# KiCad board ev17.kicad_pcb (continued)
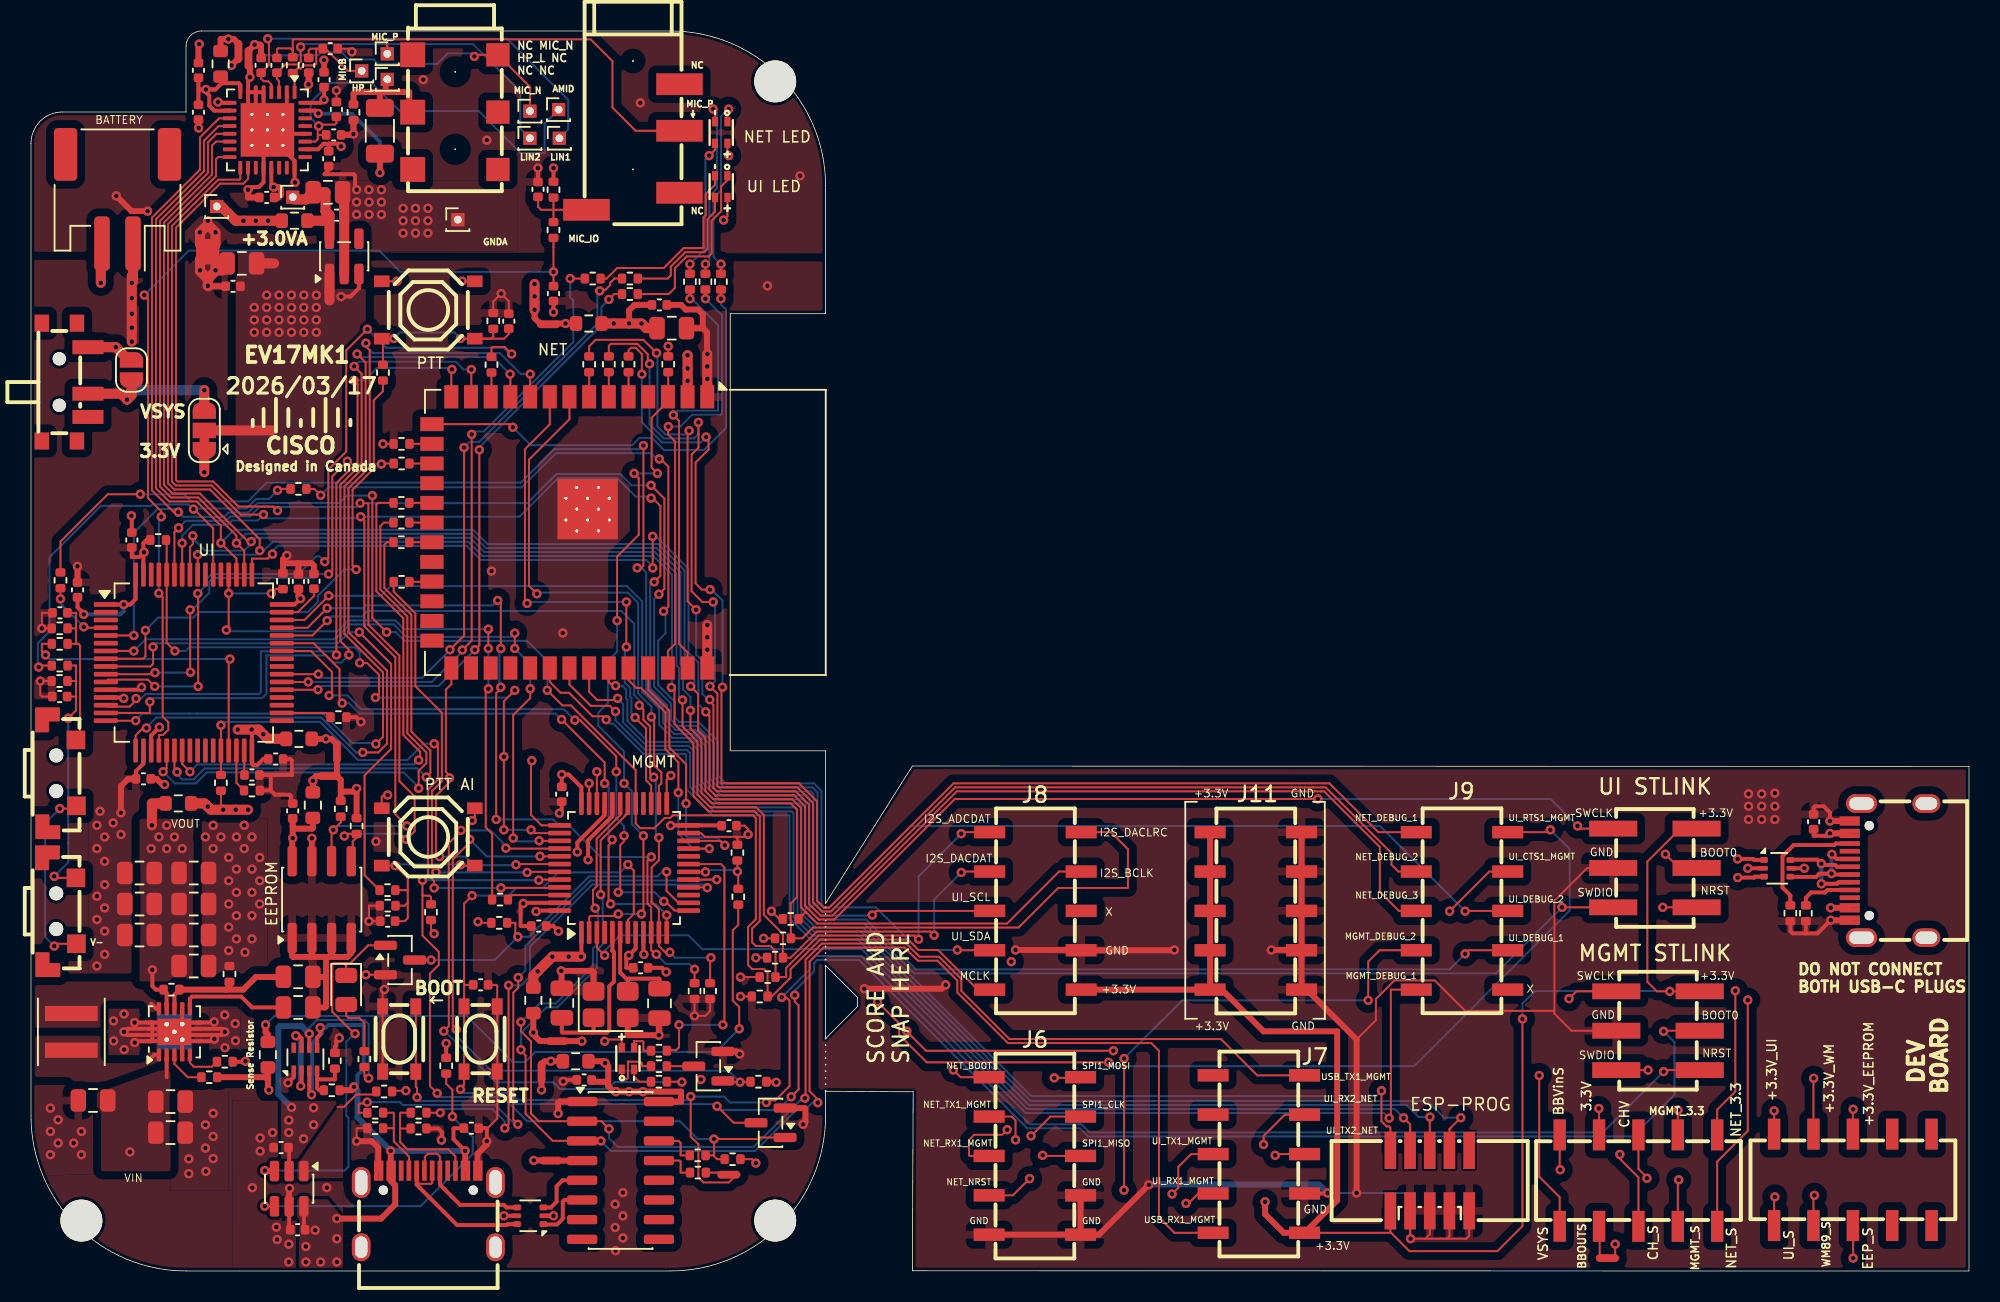
[diagram p0: board, top side]
## Routing (per net, layer and track width the routed paths; a pad name or vN(x,y) marks a point on that pad's centre or on a via; arc(x,y) is an arc through that point) (continued)
  Bottom w0.127: v1(44.75,27.46) 44.25,27.96 42.36,27.96 42.25,28.08 v1(42.25,30.16)
/PTT_AI_BTN: length 36.5
  Top w0.127: 21.75,32.21 21.52,31.98 21.52,31.95
  Top w0.13: v1(7.87,40.27) 7.87,39.17 7.7,39 U10.9 ; 21.75,32.21 23.23,33.69 23.23,39.17 v1(21.17,41.22) ; 21.52,31.95 21.52,25.54 R58.1
  Bottom w0.13: v1(21.17,41.22) 20.52,41.22 19.8,40.5 8.11,40.5 v1(7.87,40.27)
/PTT_BTN: length 32.9
  Top w0.127: R57.1 22.7,56.76 22.11,56.17 22.11,51.77 20.74,50.4 20.74,45.5 v1(20.97,45.26) ; v1(7.38,41.33) 7.38,39.64 7.24,39.5 U10.8
  Bottom w0.127: v1(7.38,41.33) 8.2,42.16 10.47,42.16 10.83,42.52 17.86,42.52 18.5,43.16 18.5,43.56 20.2,45.26 v1(20.97,45.26)
/RCC_OSC_IN: length 11.5
  Top w0.254: 36.23,15.38 34.28,15.38 34.24,15.43 C2.2 ; 36.23,15.38 37.15,15.38 37.3,15.53 37.3,18.38 37.6,18.68 37.6,20.56 37.5,20.66 U3.5 ; 36.23,15.38 36.29,15.44 Y1.1
/RCC_OSC_OUT: length 6.7
  Top w0.254: C3.2 40.54,18.83 40.5,18.86 38.58,18.86 38.49,18.77 ; 38.49,18.77 38,19.25 U3.6 ; 38.49,18.77 Y1.3
/SPI1_CLK: length 99.8
  Top w0.127: v1(64.5,8.71) 65.75,9.96 J6.9 ; R44.1 22.76,48.29 22.53,48.06 22.53,43.97 24.27,42.22 24.27,34.69 25.5,33.46 25.5,32.76 25,32.26 v1(25,31.14) ; U10.21 8.75,32.44 v1(8.52,32.21)
  In2.Cu w0.127: v1(64.5,8.71) 64.5,10.85 53.19,22.16 50.61,22.16 49.7,23.07 49.7,30.02 49.54,30.17 44.67,30.17 43.71,31.14 43.71,33.5 43.28,33.93 28.26,33.93 25.48,31.14 v1(25,31.14)
  Bottom w0.127: v1(8.52,32.21) 9.28,31.46 10.63,31.46 11.34,32.17 24.04,32.17 25,31.21 v1(25,31.14)
/SPI1_MISO: length 97.1
  Top w0.127: R45.1 22.95,47.02 22.79,46.85 22.79,44.07 24.53,42.33 24.53,34.8 25.76,33.57 25.76,32.12 v1(25.5,31.87) ; v1(9.42,32.2) 9.25,32.37 U10.22 ; J6.8 65.29,7.42 v1(65.25,7.46)
  In2.Cu w0.127: v1(25.5,31.87) 25.5,31.94 27.75,34.19 43.77,34.19 43.97,34 43.97,31.24 44.78,30.43 49.75,30.43 49.95,30.23 49.95,23.18 50.71,22.42 53.3,22.42 65.25,10.46 v1(65.25,7.46)
  Bottom w0.127: v1(25.5,31.87) 24.94,32.42 11.19,32.42 10.48,31.71 9.75,31.71 9.42,32.04 v1(9.42,32.2)
/SPI1_MOSI: length 93.9
  Top w0.127: U10.23 9.75,32.71 v1(10.25,32.21) ; J6.10 67.66,12.46 v1(66,12.46) ; v1(25,32.96) 25.1,33.06 25.1,33.5 24.02,34.58 24.02,42.12 22.28,43.86 22.28,49.46 22.37,49.56 R46.1
  In2.Cu w0.127: v1(25,32.96) 26.16,32.96 27.64,34.45 44.15,34.45 44.23,34.37 44.23,31.35 44.89,30.69 50.02,30.69 50.21,30.5 50.21,23.28 50.82,22.68 53.49,22.68 63.71,12.46 v1(66,12.46)
  Bottom w0.127: v1(25,32.96) 24.72,32.68 10.72,32.68 v1(10.25,32.21)
/UD_N: length 3.8
  Top w0.254: U4.6 34.4,4.58 34.3,4.48 34.3,3.37 33.93,3.01 33.07,3.01 U2.1
/UD_P: length 3.8
  Top w0.254: U2.3 33.54,4.1 33.9,4.46 33.9,5.46 34.29,5.85 U4.5
/UI_BOOT0: length 153
  Top w0.127: U3.38 32.46,28.25 v1(32.25,28.46) ; v1(21.2,39.23) 21.68,39.23 22.45,38.46 22.45,37.23 v1(22.21,37) ; v1(30.5,28.46) 30.5,33.21 v1(30.5,33.18) 30.5,36.76 31.2,37.46 v1(31.2,37.46) ; v1(105.42,26.89) 106.31,26 J5.3
  Top w0.13: R55.1 8.75,47.12 U10.60 8.75,40.54 v1(9.28,40.01)
  In2.Cu w0.127: v1(30.5,33.18) 30.74,33.42 43.05,33.42 43.19,33.27 43.19,30.92 44.46,29.66 49.06,29.66 49.18,29.53 49.18,22.86 50.39,21.64 52.84,21.64 58.51,15.98 58.51,12.26 63.8,6.97 91.3,6.97 91.3,10.66 104.75,24.11 104.75,26.22 v1(105.42,26.89)
  Bottom w0.127: v1(21.2,39.23) 21.2,39.94 20.9,40.24 10.21,40.24 9.98,40.01 v1(9.28,40.01) ; v1(32.25,28.46) v1(30.5,28.46) ; v1(22.21,37) 30.74,37 31.2,37.46 v1(31.2,37.46)
/UI_BOOT1: length 36.6
  Top w0.127: v1(30.31,24.72) 34.05,24.72 U3.45 ; v1(12.25,35.21) U10.28 R41.2 ; v1(26.01,34.02) 26.22,34.02 26.24,34 26.24,31.71 25.6,31.06 25.6,25.56 26,25.16 v1(26,24.71)
  Bottom w0.127: v1(26.01,34.02) 25.33,34.02 24.28,32.96 21.1,32.96 18.63,35.43 12.47,35.43 v1(12.25,35.21) ; v1(26,24.71) 30.3,24.71 v1(30.31,24.72)
/UI_CTS1_MGMT: length 114.5
  Top w0.127: v1(39.24,36.49) 39.5,36.23 39.5,35.56 39.93,35.14 39.93,32.1 v1(40.16,31.86) ; v1(41.2,20.56) 40.9,20.56 40.5,20.96 U3.11 40.5,23.33 40.02,23.82 40.03,23.83 40.03,26.03 40.5,26.5 v1(40.5,27.96) ; J9.4 94.06,25.77 v1(91.5,23.21) ; v1(19.1,41.96) 18.14,41 U10.44 ; v1(43.85,20.21) 43.8,20.16 R38.2 ; v1(56.49,15.47) 56.49,15.45 57.73,14.21 v1(69.81,14.21)
  In1.Cu w0.127: v1(56.49,15.47) 56.73,15.7 56.73,16.74 52.49,20.97 44.61,20.97 v1(43.85,20.21) ; v1(69.81,14.21) 88,14.21 91.5,17.71 v1(91.5,23.21)
  Bottom w0.127: v1(43.85,20.21) 41.55,20.21 v1(41.2,20.56) ; v1(40.16,31.86) 40.3,31.73 40.3,28.16 v1(40.5,27.96) ; v1(39.24,36.49) 39.24,36.83 38.9,37.16 38.9,41.76 38.08,42.58 21.7,42.58 21.35,42.23 19.37,42.23 v1(19.1,41.96)
/UI_CTS2_NET: length 44.9
  Top w0.127: v1(27.15,58.17) 27.11,58.13 U7.14
  Top w0.13: v1(6.78,36.93) 6.78,36.83 6.36,36.41 4.92,36.41 U10.14 ; v1(19.7,39.75) 19.7,39.75 19.7,40.89 19.69,40.89 19.69,50.83 21.06,52.2 21.06,57.23 v1(20.83,57.46)
  Bottom w0.13: v1(6.78,36.93) 7.1,36.93 7.39,37.22 14.67,37.22 14.68,37.22 14.83,37.37 14.83,39.98 19.47,39.98 v1(19.7,39.75) ; v1(20.83,57.46) 21.51,57.46 22.31,58.26 27.06,58.26 v1(27.15,58.17)
/UI_DEBUG_1: length 4.6
  Top w0.127: v1(3.4,41.56) 3.46,41.5 U10.4 ; v1(1.9,43.36) R74.2
  Bottom w0.127: v1(3.4,41.56) 1.9,43.06 v1(1.9,43.36)
/UI_LED_B: length 41.1
  Top w0.13: v1(18.53,38.5) U10.39 ; v1(36.68,63.23) 36.73,63.28 37.03,63.28 37.35,63.61 37.35,63.76 37.63,64.03 R56.1 ; v1(27.93,53.13) 27.93,40.99 v1(27.02,40.08)
  Bottom w0.13: v1(27.02,40.08) 27.02,40.05 25.23,38.27 18.76,38.27 v1(18.53,38.5) ; v1(27.93,53.13) 28.28,53.48 28.89,53.48 36.53,61.13 36.53,63.08 v1(36.68,63.23)
/UI_LED_G: length 40.9
  Top w0.127: v1(34.78,64.03) R60.1 ; U10.38 17.87,38 v1(17.88,38.01) ; v1(28.42,53.98) 28.42,40.67 v1(27.82,40.07)
  Bottom w0.127: v1(34.78,64.03) 34.78,62.83 34.97,62.64 34.97,59.94 29.2,54.16 28.61,54.16 v1(28.42,53.98) ; 17.88,38 v1(17.88,38.01) 25.85,38.01 27.82,39.98 v1(27.82,40.07)
/UI_LED_R: length 40.9
  Top w0.127: R59.1 37.62,63.03 v1(37.28,62.69)
  Top w0.13: v1(28.63,40.08) 28.92,40.37 v1(28.92,52.98) ; U10.37 18.5,37.5 v1(18.51,37.51)
  Bottom w0.13: v1(28.92,52.98) 28.92,53.15 36.79,61.02 36.79,62.2 v1(37.28,62.69) ; v1(18.51,37.51) 18.75,37.75 26.29,37.75 v1(28.63,40.08) ; 28.63,40.08 28.78,40.23
/UI_NRST: length 129.6
  Top w0.127: v1(31.2,40.16) v1(31.2,41.15) ; 31.1,27.72 31.1,27.72 v1(31.1,27.93) 31.1,35.86 32.2,36.96 v1(32.2,37.56) ; v1(32.77,27.76) 32.8,27.76 32.81,27.75 U3.39 ; v1(105.25,23.46) J5.1
  Top w0.13: v1(6.63,40) U10.7
  In1.Cu w0.127: v1(105.25,23.46) 104.76,23.96 51.99,23.96 51.49,23.45 51.14,23.45 50.99,23.6 50.99,25.69 43.95,32.72 33.47,32.72 32.77,32.03 v1(32.77,27.76)
  Bottom w0.127: v1(31.1,27.93) 31.31,27.72 32.77,27.72 32.77,27.72 v1(32.77,27.76) ; v1(32.2,37.56) 32.2,39.16 v1(31.2,40.16) ; v1(31.2,41.15) 30.96,40.92 24.2,40.92 23.4,41.71 21.38,41.71 21.38,41.71 20.97,41.71 20.97,41.71 20.55,41.71 19.6,40.76 7.39,40.76 v1(6.63,40)
/UI_READY: length 1.5
  Top w0.127: U7.17 R49.1
/UI_RTS1_MGMT: length 124.3
  Top w0.127: v1(69.5,13.46) 57.78,13.46 56,15.24 56,15.97 v1(54.6,17.36) ; J9.5 97.85,28.31 v1(98,28.46) ; v1(30.3,37.66) 30.3,37.58 30,37.28 30,29.14 v1(30.01,29.13) ; v1(19.1,42.76) 17.84,41.5 U10.45 ; v1(30.1,43.26) 30.3,43.06 v1(30.3,40.16) ; v1(40.33,20.44) 40.26,20.44 40,20.69 U3.10 40,23.47 39.76,23.71 39.76,26.47 v1(40.01,26.71) ; R39.2 v1(42.8,19.46)
  In1.Cu w0.127: v1(54.6,17.36) 54.6,18.5 52.39,20.71 45.04,20.71 43.8,19.46 v1(42.8,19.46)
  Bottom w0.127: v1(30.1,43.26) 29.78,42.95 21.6,42.95 21.42,42.76 v1(19.1,42.76) ; v1(30.01,29.13) 33.68,29.13 34.15,28.66 34.8,28.66 36.75,26.71 v1(40.01,26.71) ; v1(98,28.46) 99.24,27.22 99.24,23.26 89.2,13.21 69.75,13.21 v1(69.5,13.46) ; v1(30.3,37.66) 30.21,37.76 30.21,40.07 v1(30.3,40.16) ; v1(40.33,20.44) 40.33,20.43 40.95,19.81 42.45,19.81 v1(42.8,19.46)
/UI_RTS2_NET: length 48.8
  Top w0.127: v1(28.4,58.16) 28.4,56.42 U7.13 ; v1(7.67,36.73) 7.67,36 ; v1(20.5,39.75) 20.5,40.09 20.25,40.34
  Top w0.13: 20.25,40.34 19.96,40.64 19.96,41 19.96,41 19.96,50.72 21.32,52.09 21.32,57.89 v1(20.85,58.36) ; 7.67,36 U10.15
  Bottom w0.127: v1(28.4,58.16) 27.9,58.16 27.4,58.66 21.15,58.66 v1(20.85,58.36) ; v1(7.67,36.73) 7.9,36.96 14.9,36.96 15.18,37.23 15.18,39.72 19.04,39.72 19.21,39.56 19.21,39.54 19.5,39.25 20.01,39.25 v1(20.5,39.75)
/UI_RX1_MGMT: length 89
  Top w0.127: v1(20.07,36.64) 19.9,36.81 19.9,38.83 18.22,40.5 U10.43 ; v1(74.5,4.36) 74.6,4.46 74.75,4.46 75.29,5 J7.9 ; v1(34.22,35.58) 37,32.81 v1(37,31.46)
  Top w0.13: v1(37.38,23.68) 37.25,23.81 37.25,27.46 37.44,27.65 37.44,27.78 v1(37.49,27.83) ; U3.12 v1(41,22.96)
  In1.Cu w0.127: v1(41,22.96) 46.95,22.96 48.01,21.9 52.06,21.9 59.98,13.98 59.98,4.98 61.5,3.46 73.6,3.46 v1(74.5,4.36)
  Bottom w0.127: v1(37,31.46) 37.26,31.21 37.26,27.88 37.31,27.83 v1(37.49,27.83) ; v1(20.07,36.64) 20.5,36.64 21.18,35.96 33.84,35.96 v1(34.22,35.58)
  Bottom w0.13: v1(37.38,23.68) 40.28,23.68 40.28,23.68 v1(41,22.96)
/UI_RX2_NET: length 140.8
  Top w0.127: v1(79.5,8.16) 79.5,8.71 80.87,10.08 J7.4 ; v1(32.2,57.86) 32.19,57.85 U7.10
  Top w0.13: v1(7.44,35.03) 7.22,35.03 6.75,34.56 U10.17 ; v1(21.4,33.46) 22.39,33.46 22.97,34.03 22.97,38.73 20.48,41.22 20.48,50.51 21.85,51.88 21.85,59.41 21.6,59.66 v1(21.6,59.86)
  In2.Cu w0.127: v1(21.4,33.46) 22.69,33.46 23.94,34.71 44.26,34.71 44.48,34.48 44.48,31.46 45,30.95 50.13,30.95 50.47,30.61 50.47,23.39 50.93,22.93 53.6,22.93 54.06,22.48 68.62,22.48 79.5,11.6 v1(79.5,8.16)
  Bottom w0.127: v1(7.44,35.03) 7.44,35.07 8.08,35.71 10.29,35.71 10.29,35.71 18.72,35.71 20.97,33.46 v1(21.4,33.46)
  Bottom w0.13: v1(32.2,57.86) 31.6,57.86 30.24,59.22 22.04,59.22 21.6,59.66 v1(21.6,59.86)
/UI_SCL1: length 141.2
  Top w0.127: v1(54.26,22.97) 54.53,23.23 J8.8 ; v1(40.2,44.46) 40.59,44.86 40.59,49.36 40.09,49.86 v1(39.99,49.86) ; v1(9.75,46.96) U10.58 ; v1(15,48.8) 13.52,48.8 11.65,50.68 9.34,50.68 9.09,50.93 9.09,67.43 12.07,70.41 13.45,70.41 13.5,70.46 U6.17 ; v1(21.27,48.66) 21.5,48.43 21.5,41.59 22.99,40.1 22.99,40.1 23.43,39.66 23.44,39.66 23.5,39.59 23.5,29.46 v1(24.25,28.71) ; R16.2 19.98,28.94 v1(19.5,28.46)
  Top w0.13: 19.39,26.44 19.39,28.35 v1(19.5,28.46)
  Bottom w0.127: v1(39.99,49.86) 39.89,49.96 39,49.96 37.8,51.16 34,51.16 31.5,48.66 v1(21.27,48.66) 21.16,48.66 21.06,48.57 15.23,48.57 v1(15,48.8) 14.61,48.42 12.96,48.42 12.68,48.15 10.45,48.15 9.75,47.44 v1(9.75,46.96) ; v1(40.2,44.46) 40,44.46 39.93,44.4 39.93,37.59 41.03,36.49 41.03,35.47 41.58,34.91 42.84,34.91 43.8,33.95 43.8,31.75 44.61,30.95 50.29,30.95 50.47,30.76 50.47,23.39 50.93,22.93 54.23,22.93 v1(54.26,22.97) ; v1(24.25,28.71) 19.75,28.71 v1(19.5,28.46)
/UI_SDA1: length 146.1
  Top w0.127: v1(15.9,49.06) 15.64,49.32 13.37,49.32 11.75,50.94 9.45,50.94 9.35,51.04 9.35,67.31 12.19,70.15 13.69,70.15 14,70.46 U6.18 ; U10.59 9.25,47.67 v1(9.52,47.94) ; R19.2 20.27,28.2 20.21,28.14 v1(20.21,28.06) ; J8.9 59.77,20.69 v1(59.75,20.71) ; v1(40.5,43.66) 40.85,44.02 40.85,49.83 v1(39.99,50.69) ; v1(24.22,27.85) 24.74,28.37 24.74,30.62 23.76,31.61 23.76,39.7 23.54,39.92 21.76,41.7 21.76,49.5 21.72,49.54 v1(21.23,49.54) 21.23,49.42
  Top w0.13: R19.2 21,27.96 20.75,27.71 20.75,26.53 20.66,26.44
  Bottom w0.127: 15.74,48.95 15.79,48.95 v1(15.9,49.06) ; v1(20.21,28.06) 20.36,28.21 23.85,28.21 v1(24.22,27.85) ; v1(15.9,49.06) 16.14,49.3 20.99,49.3 v1(21.23,49.54) 32.01,49.54 33.89,51.42 38,51.42 38.73,50.69 v1(39.99,50.69) ; v1(15.9,49.06) 15.66,49.3 14.9,49.3 ; v1(40.5,43.66) 40.19,43.35 40.19,37.7 41.29,36.6 41.29,35.57 41.69,35.17 42.95,35.17 44.06,34.06 44.06,31.86 44.71,31.21 50.39,31.21 50.73,30.87 50.73,23.5 51.03,23.19 51.59,23.19 51.86,23.46 54.06,23.46 54.47,23.46 54.47,23.46 54.49,23.46 57.24,20.71 v1(59.75,20.71) ; 15.39,49.3 14.73,49.3 14.12,48.68 12.85,48.68 12.57,48.4 9.98,48.4 v1(9.52,47.94)
/UI_Sense: length 114.9
  Top w0.13: v1(112.48,4.78) 112.43,4.73 J20.1
  Top w0.381: NT8.2 19.38,34.33 v1(19.03,34.33) R78.1
  In4.Cu w0.13: v1(19.03,34.33) 20.64,32.72 24.36,32.72 24.71,32.36 31.95,32.36 35,29.31 35,28.76 36.79,26.97 38.52,26.97 46.64,18.85 46.64,17.95 50.14,14.45 57.71,14.45 58.54,15.28 70.37,15.28 71.67,13.98 109.48,13.98 112.92,10.54 112.92,5.23 v1(112.48,4.78)
/UI_STAT: length 42.4
  Top w0.127: R54.2 15.78,43.99 v1(15.5,43.71) ; v1(29.5,40.16) v1(29.5,41.41) ; 16.49,44 16.5,43.99 ; R5.2 29.74,28.21 29.33,28.62 29.33,37.39 v1(29.5,37.56) ; v1(12.6,41.36) 12.75,41.51 v1(12.75,43.71) U10.52
  Bottom w0.127: v1(15.5,43.71) v1(12.75,43.71) ; v1(12.6,41.36) 12.68,41.28 19.75,41.28 20.44,41.97 20.86,41.97 20.86,41.97 21.49,41.97 21.49,41.97 23.51,41.97 24.07,41.41 v1(29.5,41.41) ; v1(29.5,37.56) v1(29.5,40.16)
/UI_SWCLK: length 117.5
  Top w0.127: v1(40.1,47.4) v1(40.1,45.36) ; U10.49 14.25,45.96 15.28,45.96 v1(15.58,46.25) ; v1(99.75,28.71) 99.92,28.54 J5.6 ; v1(83,30.45) 59.59,30.45 51.81,22.68 50.82,22.68 49.92,23.58 49.92,29.99 49.21,30.69 44.13,30.69 43.76,31.07 43.76,35.84 v1(43.52,36.08)
  Bottom w0.127: v1(40.1,45.36) 40.1,45.46 39.69,45.87 29.02,45.87 28.1,46.79 18,46.79 18,46.79 15.93,46.79 15.58,46.44 v1(15.58,46.25) ; v1(99.75,28.71) 98.01,30.45 v1(83,30.45) ; v1(40.1,47.4) 40.32,47.4 40.55,47.16 40.56,47.16 42.41,45.32 42.41,39.89 43.04,39.26 43.04,37.93 43.04,37.93 43.04,37.52 43.04,37.52 43.04,36.56 v1(43.52,36.08)
/UI_SWDIO: length 108.4
  Top w0.127: v1(19.2,43.56) 17.64,42 U10.46 ; v1(98.75,23.46) J5.2
  Bottom w0.127: v1(98.75,23.46) 94.49,19.21 56.96,19.21 53.75,22.42 50.71,22.42 49.95,23.18 49.95,30.26 49.78,30.43 44.39,30.43 43.28,31.54 43.28,33.74 42.63,34.4 41.37,34.4 40.51,35.25 40.51,36.28 39.42,37.38 39.42,43.21 38.44,44.19 23.2,44.19 22.58,43.56 v1(19.2,43.56)
/UI_TX1_MGMT: length 90.9
  Top w0.127: J7.8 74.83,7.54 74,6.71 74,5.36 v1(73.6,4.96) ; v1(37.88,24.43) 38.01,24.56 38.01,27.48 38.25,27.72 v1(38.25,28.08) ; v1(37.75,32.21) 37.75,33.2 35.41,35.54 v1(35.07,35.54) ; U10.42 18.06,40 19.41,38.66 19.41,37.31 v1(19.23,37.13)
  Top w0.13: U3.13 41.51,23.25 41.02,23.75 40.92,23.75 v1(40.82,23.85)
  In1.Cu w0.127: v1(73.6,4.96) 72.6,3.96 61.39,3.96 60.24,5.11 60.24,14.11 52.19,22.16 48.11,22.16 46.73,23.54 41.38,23.54 41.15,23.77 40.89,23.77 v1(40.82,23.85)
  Bottom w0.127: v1(35.07,35.54) 34.37,36.25 21.29,36.25 20.41,37.13 v1(19.23,37.13) ; v1(37.88,24.43) 40.23,24.43 v1(40.82,23.85) ; v1(37.75,32.21) 37.75,29.21 38.25,28.71 v1(38.25,28.08)
/UI_TX2_NET: length 137.1
  Top w0.127: v1(6.75,35.51) 6.57,35.51 6.57,35.5 U10.16 ; v1(30.9,57.86) 30.92,57.84 U7.11 ; v1(80.25,7.46) 80.33,7.54 J7.3 ; 20.22,41.11 22.71,38.62 22.71,34.47 v1(22.24,34.01)
  Top w0.13: 20.22,41.11 20.22,50.62 21.58,51.98 21.58,58.61 v1(21.03,59.17)
  In2.Cu w0.127: v1(80.25,7.46) 80.25,11.21 68,23.46 51.52,23.46 51.5,23.45 51.14,23.45 50.73,23.86 50.73,30.72 50.24,31.21 45.1,31.21 44.74,31.57 44.74,34.59 44.36,34.96 23.2,34.96 v1(22.24,34.01)
  Bottom w0.127: 22.19,34.06 20.73,34.06 18.83,35.96 17,35.96 17,35.97 10.7,35.97 10.7,35.96 10.18,35.96 7.16,35.96 6.75,35.56 v1(6.75,35.51) ; v1(30.9,57.86) 29.8,58.96 21.23,58.96 v1(21.03,59.17)
/USB_CC1_DETECT: length 33.2
  Top w0.127: v1(30.8,18.43) 30.8,9.46 v1(30.56,9.21) ; 42.42,24.76 U3.16 43.41,24.75 43.43,24.73 v1(43.62,24.73) ; R9.1 v1(26.4,10.21)
  Bottom w0.127: v1(30.56,9.21) 30.56,9.65 29.76,10.45 26.64,10.45 v1(26.4,10.21) ; v1(30.8,18.43) 31.63,18.43 32.18,18.99 32.18,20.92 36.2,24.93 43.42,24.93 v1(43.62,24.73)
/USB_CC2_DETECT: length 39.9
  Top w0.127: R10.1 21.13,10.21 21.13,10.72 21.22,10.81 21.59,10.81 v1(21.68,10.89) ; v1(44.23,25.25) U3.17 ; v1(31.43,18.93) 31.43,18.28 31.11,17.96 31.11,9.76 v1(31.4,9.46)
  Bottom w0.127: v1(44.23,25.25) 43.38,25.25 43.32,25.19 36.1,25.19 31.88,20.98 31.88,19.39 v1(31.43,18.93) ; v1(31.4,9.46) 31.2,9.46 29.95,10.71 23.98,10.71 23.8,10.89 v1(21.68,10.89)
/USB_DTR: length 2.7
  Top w0.127: R40.2 41.9,6.35
  Top w0.13: 41.9,6.35 41.9,7.06 41.84,7.12 U4.13
/USB_RTS: length 2.8
  Top w0.13: U4.14 41.77,8.39 41.9,8.26 41.9,7.46 R51.1
/USB_RX1_MGMT: length 94.8
  Top w0.127: v1(31.6,14.28) 31.6,14.21 31.9,13.91 31.9,10.14 ; J7.10 73.75,2.46 72.75,3.46 72.75,14.21 72.26,14.71 63.01,14.71 59.75,17.96 59.75,18.73 58.46,20.02 57.21,20.02 57.01,20.21 57,20.21 56.34,20.87 51.11,20.87 50.22,19.97 50.22,11.61 50.75,11.07 v1(50.75,10.86) ; U3.30 38.5,29.6 38.34,29.45 38.34,29.39 38.26,29.3 38.26,29.3 36.74,27.78 v1(36.74,24.28)
  Top w0.13: 31.9,10.14 33.65,8.39 U4.3 v1(36.76,8.39)
  Bottom w0.127: v1(50.75,10.86) 50.4,10.86 49.94,10.4 49.36,10.4 46.71,7.75 37.41,7.75 v1(36.76,8.39) ; v1(31.6,14.28) 31.6,15.36 33.24,17.01 33.95,17.01 36.5,19.56 36.5,20.7 36.88,21.08 36.88,24.14 v1(36.74,24.28)
/USB_TX1_MGMT: length 89.6
  Top w0.127: 32.25,10.16 32.25,14.81 31.6,15.46 v1(31.6,16.06) ; v1(37.28,9.17) 36.89,9.56 36.89,9.58 ; J7.5 79.09,12.62 76.75,14.96 63.11,14.96 60.01,18.07 60.01,18.84 58.57,20.28 57.31,20.28 57.12,20.47 57.11,20.47 56.45,21.13 51.01,21.13 49.96,20.08 49.96,11.19 v1(49.92,11.15) ; v1(36.39,23.41) 36.25,23.55 36.25,24.58 36.48,24.81 36.48,27.89 38,29.4 U3.31
  Top w0.13: 36.89,9.58 36.8,9.66 U4.2 32.75,9.66 32.25,10.16
  Bottom w0.127: v1(36.39,23.41) 36.58,23.21 36.58,21.15 36.24,20.81 36.24,19.66 33.84,17.26 32.8,17.26 v1(31.6,16.06) ; v1(37.28,9.17) 37.28,8.57 37.85,8 46.61,8 49.74,11.13 49.9,11.13 v1(49.92,11.15)
/VAIN: length 9.5
  Top w0.254: v1(20,62.86) 20.6,62.86 21.15,63.41 U12.3
  Top w0.65: U12.1 19.25,62.61 ; 14.57,65.03 C11.1 15.68,65.01 ; JP3.2 15.53,54.23
  vias: v1(14.4,62.16) v1(14.4,61.36) v1(14.4,60.56) v1(15.2,62.96) v1(15.2,62.16) v1(15.2,61.36) v1(15.2,60.56) v1(16,62.96) v1(16,62.16) v1(16,61.36) v1(16,60.56) v1(16.8,62.96) v1(16.8,62.16) v1(16.8,61.36) v1(16.8,60.56) v1(17.6,62.96) v1(17.6,62.16) v1(17.6,61.36) v1(17.6,60.56) v1(18.4,62.96) v1(18.4,62.16) v1(18.4,61.36) v1(18.4,60.56)
/VOLUME+: length 19.4
  Top w0.127: R17.1 0.7,40.46 0.7,40 0.94,39.76 v1(0.94,39.75) ; v1(12.83,39.48) 12.75,39.4 U10.29
  Bottom w0.127: v1(0.94,39.75) 1.2,39.48 v1(12.83,39.48)
/VOLUME-: length 30.7
  Top w0.127: R73.2 16.11,50.46 16.02,50.37 v1(15.9,50.37) ; R24.1 0.7,39.06 0.7,39.06 0.6,38.96 v1(0.5,38.96) ; v1(10.47,49.15) 10.51,49.15 11.75,47.91 U10.54
  Bottom w0.127: v1(0.5,38.96) 0.44,39.02 0.44,40.51 1.19,41.26 1.19,46.06 4.5,49.37 7.76,49.37 7.85,49.46 10.17,49.46 v1(10.47,49.15) 10.51,49.2 13.9,49.2 14.52,49.81 15.35,49.81 15.58,50.05 15.58,50.05 v1(15.9,50.37)
/WM8960_Sense: length 157.9
  Top w0.127: v1(115.03,4.88) 114.97,4.82 J20.2
  Top w0.381: NT9.2 13.08,79.48 v1(12.73,79.48) 12.23,79.48 R63.1
  In4.Cu w0.127: v1(115.03,4.88) 115.47,5.33 115.47,12.64 111.35,16.76 56.35,16.76 52.14,20.97 46.49,20.97 43.13,24.33 43.13,24.78 41.2,26.71 41.05,26.71 39.99,27.77 39.99,30.67 35.83,34.84 35.83,45.24 30.18,50.88 30.18,59.61 29.13,60.66 27.81,60.66 20.51,67.96 20.51,71.11 14.62,77 14.62,77.23 14.33,77.51 14.1,77.51 12.73,78.88 v1(12.73,79.48)
VSYS: length 176.8
  Top w0.127: v1(45.68,15.62) 45.68,17.03 45.27,17.45 45.27,21.98 45.62,22.33 R12.2 ; J10.1 98.6,4.76 97.28,6.08 v1(97.28,12.61)
  Top w0.381: R14.1 15.28,15.27 15.13,15.42 v1(15.13,15.88)
  Top w0.65: SW1.2 5.81,56.6 v1(6.19,56.22) 6.48,56.51 6.48,57.3 6.31,57.47 ; JP3.3 v1(11.18,56.83)
  In2.Cu w0.381: v1(15.13,15.88) 15.13,15.56 14.53,14.96 14.53,13.35 13.64,12.46 4.01,12.46 3.5,12.98 3.5,30.02 5.12,31.64 5.12,55.75 5.6,56.22 v1(6.19,56.22)
  In4.Cu w0.127: v1(97.28,12.61) 87.03,12.61 86.06,11.65 69.78,11.65 67.19,14.24 58.97,14.24 58.14,13.41 49.72,13.41 48.87,14.26 46.88,14.26 45.68,15.46 v1(45.68,15.62)
  Bottom w0.127: v1(45.68,15.62) 44.19,14.13 32.53,14.13 31.88,13.48 31.08,13.48 28.11,16.45 15.7,16.45 v1(15.13,15.88)
  Bottom w0.65: v1(11.18,56.83) 6.8,56.83 v1(6.19,56.22)
Net-(C46-Pad1): length 12.4
  Top w0.127: R57.2 22.7,60.08 SW4.3
  Top w0.13: SW4.4 30.52,60.15 30.81,60.45 C46.1 ; SW4.4 27.71,60.15 v1(27.7,60.16) ; SW4.4 29.68,60.15 29.82,60.29 R61.2 ; v1(23.4,60.16) 22.64,60.16 SW4.3
  Bottom w0.13: v1(23.4,60.16) 23.79,60.55 27.31,60.55 v1(27.7,60.16)
Net-(C47-Pad1): length 12.5
  Top w0.127: SW5.4 27.75,26.15 v1(27.7,26.21) ; SW5.3 v1(23.5,26.15) ; C47.1 24.11,22.57 24.3,22.76 24.3,23.46
  Top w0.13: 24.3,24.56 24.3,25.35 v1(23.5,26.15) ; 24.3,24.56 24.29,24.57 R58.2 ; 24.3,24.56 24.3,23.76 ; R62.2 24.11,23.57 24.3,23.76 ; 22.5,26.03 SW5.3 ; 24.3,23.76 24.3,23.46
  Bottom w0.127: v1(23.5,26.15) 23.59,26.24 27.67,26.24
Net-(C49-Pad1): length 10.1
  Top w0.127: 2.9,41.46 2.9,40.46 ; 2.9,41.46 2.9,42.46 2.9,42.46 C49.1 ; 2.9,41.46 R23.2 ; 2.9,40.46 3.05,40.46 3.16,40.36 3.16,34.52 SW6.2 ; 2.9,40.46 R17.2
Net-(C50-Pad1): length 17.3
  Top w0.127: 2.9,37.06 2.9,36.16 v1(2.4,35.66) ; 2.9,37.06 2.9,38.06 ; 2.9,37.06 C50.1 ; R37.2 2.9,38.06 ; 2.9,38.06 2.9,39.06 R24.2 ; SW7.2 1.6,25.36 v1(1.5,25.46)
  Bottom w0.127: v1(1.5,25.46) 2.4,26.36 v1(2.4,35.66)
Net-(C54-Pad1): length 5.4
  Top w0.127: J3.S 32.9,68.47 32.7,68.66 32.7,68.66 C54.1 ; R81.1 R36.1
Net-(D1-A): length 3.9
  Top w0.127: 21.18,16.33 21.5,16.01 R11.2
  Top w0.13: 21.18,16.33 20.48,16.33 20.33,16.48 D1.2
Net-(D1-K): length 25
  Top w0.127: 20.18,19.86 19.48,19.86 19.43,19.81 19.43,16.73 20.85,15.31 v1(20.9,15.31) ; 20.18,19.86 20.33,19.71 D1.1 ; 20.18,19.86 20.6,19.86 21.75,21.01 Q2.1
  Top w0.381: v1(15.08,6.48) 15.11,6.45 U1.3
  Bottom w0.127: v1(20.9,15.31) 20.82,15.23 20.78,15.23 20.33,14.79 20.33,10.03 20.48,9.88 20.48,6.73 20.23,6.48 v1(15.08,6.48)
Net-(D2-BK): length 9.1
  Top w0.127: R33.2 v1(42.5,64.96)
  Top w0.13: D2.3 44.12,72.34 v1(43.74,71.96)
  Bottom w0.13: v1(43.74,71.96) 43.5,71.72 43.5,65.96 v1(42.5,64.96)
Net-(D2-GK): length 11.9
  Top w0.127: R35.2 v1(43.5,64.96)
  Top w0.13: D2.4 44.12,74.85 v1(44,74.96)
  Bottom w0.13: v1(44,74.96) 44.24,74.72 44.24,69.83 43.76,69.36 43.76,65.22 v1(43.5,64.96)
Net-(D2-RK): length 12.1
  Top w0.127: R34.2 v1(44.5,64.96)
  Top w0.13: v1(45,74.96) 44.92,74.88 D2.1
  Bottom w0.13: v1(44.5,64.96) 44.02,65.44 44.02,69.25 44.5,69.73 44.5,71.65 44.5,74.46 v1(45,74.96)
Net-(D3-BK): length 9.1
  Top w0.13: R56.2 41.07,64.03 41.27,64.23 41.27,64.8 42.2,65.73 43.43,65.73 43.64,65.94 43.64,67.87 44.12,68.35 D3.3
Net-(D3-GK): length 12.4
  Top w0.13: R60.2 37.13,64.03 37.81,64.71 40.81,64.71 42.09,65.99 43.32,65.99 43.38,66.05 43.38,67.98 43.52,68.12 43.52,69.49 43.73,69.69 43.73,69.76 43.79,69.76 44.12,70.08 D3.4
Net-(D3-RK): length 12
  Top w0.13: R59.2 41.13,63.03 41.53,63.43 41.53,64.69 42.29,65.46 43.71,65.46 43.9,65.65 43.9,67.76 44.51,68.37 44.51,69.95 44.5,69.96 44.92,70.38 D3.1
Net-(D5-BK): length 2.1
  Top w0.127: D5.3 38.9,14.83 39.44,14.83 39.5,14.76 39.5,14.26 39.55,14.21 R15.1
Net-(D5-GK): length 1.7
  Top w0.127: R21.1 39.22,12.21 38.9,12.54 D5.4
Net-(D5-RK): length 3.8
  Top w0.13: R20.1 39.45,13.21 39.4,13.26 39.4,13.4 39.29,13.51 38.51,13.51 38.5,13.5 38.5,12.46 38.4,12.36 38.2,12.36 38.1,12.46 D5.1
Net-(J1-CC1): length 5.5
  Top w0.127: J1.A5 24.38,7.39 23.4,8.36 23.4,9.16 ; 23.4,9.16 23.4,10.16 23.35,10.21 R10.2 ; 23.4,9.16 23.35,9.21 R8.2
Net-(J1-CC2): length 8.1
  Top w0.127: R7.2 23.83,9.19 23.8,9.16 ; J1.B5 27.38,7.39 26.91,7.85 24.28,7.85 23.8,8.33 23.8,9.16 ; 23.8,9.16 23.8,10.16 23.85,10.21 R9.2
  Top w0.254: 24.48,10.21 R9.2
Net-(J9-Pin_2): length 128.7
  Top w0.127: v1(39.5,53.26) 39.5,45.51 39.36,45.36 v1(39.1,45.36) ; v1(92.5,20.46) 92.73,20.69 J9.2 ; R74.1 1.9,47.06 4.95,50.11 v1(7.05,50.11)
  Bottom w0.127: v1(39.1,45.36) 39.38,45.36 39.67,45.07 39.67,37.48 40.77,36.39 40.77,35.36 41.47,34.65 42.73,34.65 43.54,33.85 43.54,31.65 44.5,30.69 50.02,30.69 50.21,30.5 50.21,23.28 50.82,22.68 53.86,22.68 57.07,19.46 91.5,19.46 v1(92.5,20.46) ; v1(39.5,53.26) 39.26,53.02 33.75,53.02 31.59,50.86 15.21,50.86 13.99,49.65 10.35,49.65 9.88,50.11 v1(7.05,50.11)
Net-(J9-Pin_3): length 110.9
  Top w0.127: v1(18.68,50.05) 18.27,50.46 R73.1 ; J9.3 92.52,23.23 v1(92.5,23.21) ; v1(40.8,42.56) 41.11,42.87 41.11,51.89 40.61,52.39 v1(40.53,52.39)
  Bottom w0.127: v1(18.68,50.05) 19.2,50.56 31.66,50.56 33.86,52.76 40,52.76 40.37,52.39 v1(40.53,52.39) ; v1(92.5,23.21) 87.01,28.71 56.74,28.71 51.49,23.45 51.14,23.45 50.99,23.6 50.99,30.98 50.5,31.46 44.82,31.46 44.31,31.97 44.31,34.17 43.05,35.43 41.8,35.43 41.54,35.68 41.54,36.71 40.45,37.8 40.45,40.66 40.92,41.14 40.92,42.44 v1(40.8,42.56)
Net-(J9-Pin_6): length 91.1
  Top w0.127: v1(44.6,37.66) 44.53,37.59 44.53,31.46 49.53,31.46 50.69,30.31 50.69,23.9 51.14,23.45 51.49,23.45 59.5,31.46 82.58,31.46 82.58,31.46 83.42,31.46 83.42,31.46 83.75,31.46 86.9,28.31 J9.6 ; v1(43.54,53.81) 43.7,53.65 43.7,53 42.86,52.16 42.86,44.36 43.27,43.96 v1(43.8,43.96) ; v1(39.4,57.86) 39.4,59.16 39,59.56 38.7,59.56 38.54,59.4 R70.2
  Bottom w0.127: v1(44.6,37.66) 44.6,43.26 43.9,43.96 v1(43.8,43.96) ; v1(39.4,57.86) 39.4,54.76 40.7,53.46 43.2,53.46 v1(43.54,53.81)
Net-(J9-Pin_7): length 95.7
  Top w0.127: v1(39.89,58.53) 39.78,58.64 39.78,59.15 39.11,59.82 37.4,59.82 37.27,59.69 R71.2 ; v1(44,43.16) 43.3,43.16 42.61,43.86 42.61,52.67 43.05,53.11 43.05,54.01 43.05,54.02 v1(43.05,54.75) ; J9.7 88.19,25.77 87.75,26.21 87.75,26.96 83.51,31.21 83.31,31.21 83.31,31.21 82.69,31.21 82.69,31.21 59.61,31.21 51.59,23.19 51.03,23.19 50.43,23.79 50.43,29.86 50.43,30.2 49.43,31.21 44.35,31.21 44.27,31.28 44.27,37.24 v1(43.79,37.72)
  Bottom w0.127: v1(43.05,54.75) 43.05,54.01 42.76,53.72 40.81,53.72 39.89,54.63 39.89,57.66 39.89,57.66 39.89,58.07 39.89,58.07 v1(39.89,58.53) ; v1(44,43.16) 44.11,43.05 44.11,38.04 v1(43.79,37.72)
Net-(J9-Pin_8): length 97.2
  Top w0.127: v1(42.9,42.66) 42.35,43.21 42.35,54.11 42.45,54.21 v1(42.45,54.22) ; v1(40.35,59.23) 39.49,60.08 36.42,60.08 36,59.66 R72.2 ; J9.8 88.23,23.23 87,24.46 87,27.35 83.4,30.95 83.21,30.95 83.2,30.95 82.8,30.95 82.79,30.95 59.71,30.95 51.7,22.93 50.93,22.93 50.17,23.69 50.17,29.86 50.17,30.09 49.32,30.95 44.24,30.95 44.01,31.17 44.01,36.52 43.78,36.75 v1(43.78,36.86)
  Bottom w0.127: v1(43.78,36.86) 43.67,36.86 43.3,37.23 43.3,39.36 42.9,39.76 v1(42.9,42.66) ; v1(42.45,54.22) 42.45,54.21 42.22,53.98 40.91,53.98 40.4,54.49 40.4,59.17 v1(40.35,59.23)
Net-(J22-CC1): length 3.5
  Top w0.254: R65.2 114.48,24.08 114.82,24.42 115.71,24.42 115.87,24.58 J22.A5
Net-(J22-CC2): length 8.1
  Top w0.254: J22.B5 116.4,27.58 116.3,27.48 113.69,27.48 112.97,26.76 112.97,24.74 113.48,24.23 R2.2
Net-(J22-D+-PadA6): length 6.6
  Top w0.254: J22.B6 116.46,26.58 v1(116.16,26.88) ; 116.07,25.7 v1(116.13,25.64) ; v1(116.13,25.64) 116.19,25.58 J22.A6 ; v1(116.13,25.64) 115.35,25.64 115.13,25.42 113.5,25.42 U11.4
  Bottom w0.254: v1(116.13,25.64) 116.13,26.85 v1(116.16,26.88)
Net-(J22-D--PadA7): length 7.2
  Top w0.254: J22.B7 116.58,25.08 116.48,24.98 v1(115.48,24.98) ; J22.A7 116.48,26.08 116.36,26.2 115.56,26.2 v1(115.48,26.28) 115.22,26.54 113.5,26.54 U11.6
  Bottom w0.254: v1(115.48,26.28) v1(115.48,24.98)
Net-(JP1-A): length 72.4
  Top w0.254: U9.7 17.45,15.01 17.28,15.18 v1(17.08,15.18) ; v1(17.39,11.93) 17.45,11.99 U9.2
  Top w0.65: SW1.1 v1(5.47,59.6) 6.29,58.78 JP1.1 6.47,58.77 6.31,58.77
  In2.Cu w0.381: v1(17.08,15.18) 13.85,11.95 3.8,11.95 2.99,12.76 2.99,30.23 4.61,31.85 4.61,58.75 v1(5.47,59.6)
  Bottom w0.381: v1(17.39,11.93) 17.39,14.87 v1(17.08,15.18)
Net-(NT3-Pad1): length 1
  Top w0.127: R40.1 44.37,6.35 NT3.1
Net-(Q1-D): length 1.7
  Top w0.127: Q1.3 R20.2
Net-(Q3-G): length 33.2
  Top w0.127: v1(24.9,11.21) 24.9,11.81 24.82,11.89 SW2.3 SW2.4 ; Q3.1 47.04,8.61 46.94,8.51 v1(44.05,8.51) 44.05,7.51 44,7.46 ; R75.1 44.25,7.21 44,7.46 ; 44,7.46 R51.2
  Bottom w0.127: v1(24.9,11.21) 25.14,10.97 30.69,10.97 32,9.66 41.85,9.66 43,8.51 v1(44.05,8.51)
Net-(U1-ISET): length 21.3
  Top w0.127: R1.1 26.78,12.08 27.18,11.68 v1(27.18,9.96) ; v1(15.08,4.18) 15.09,4.17 U1.4
  Bottom w0.127: v1(15.08,4.18) 25.13,4.18 28.49,7.55 28.49,8.65 v1(27.18,9.96)
